# Allegro board FH8858v310_app_board_v1.1.brd (continued)
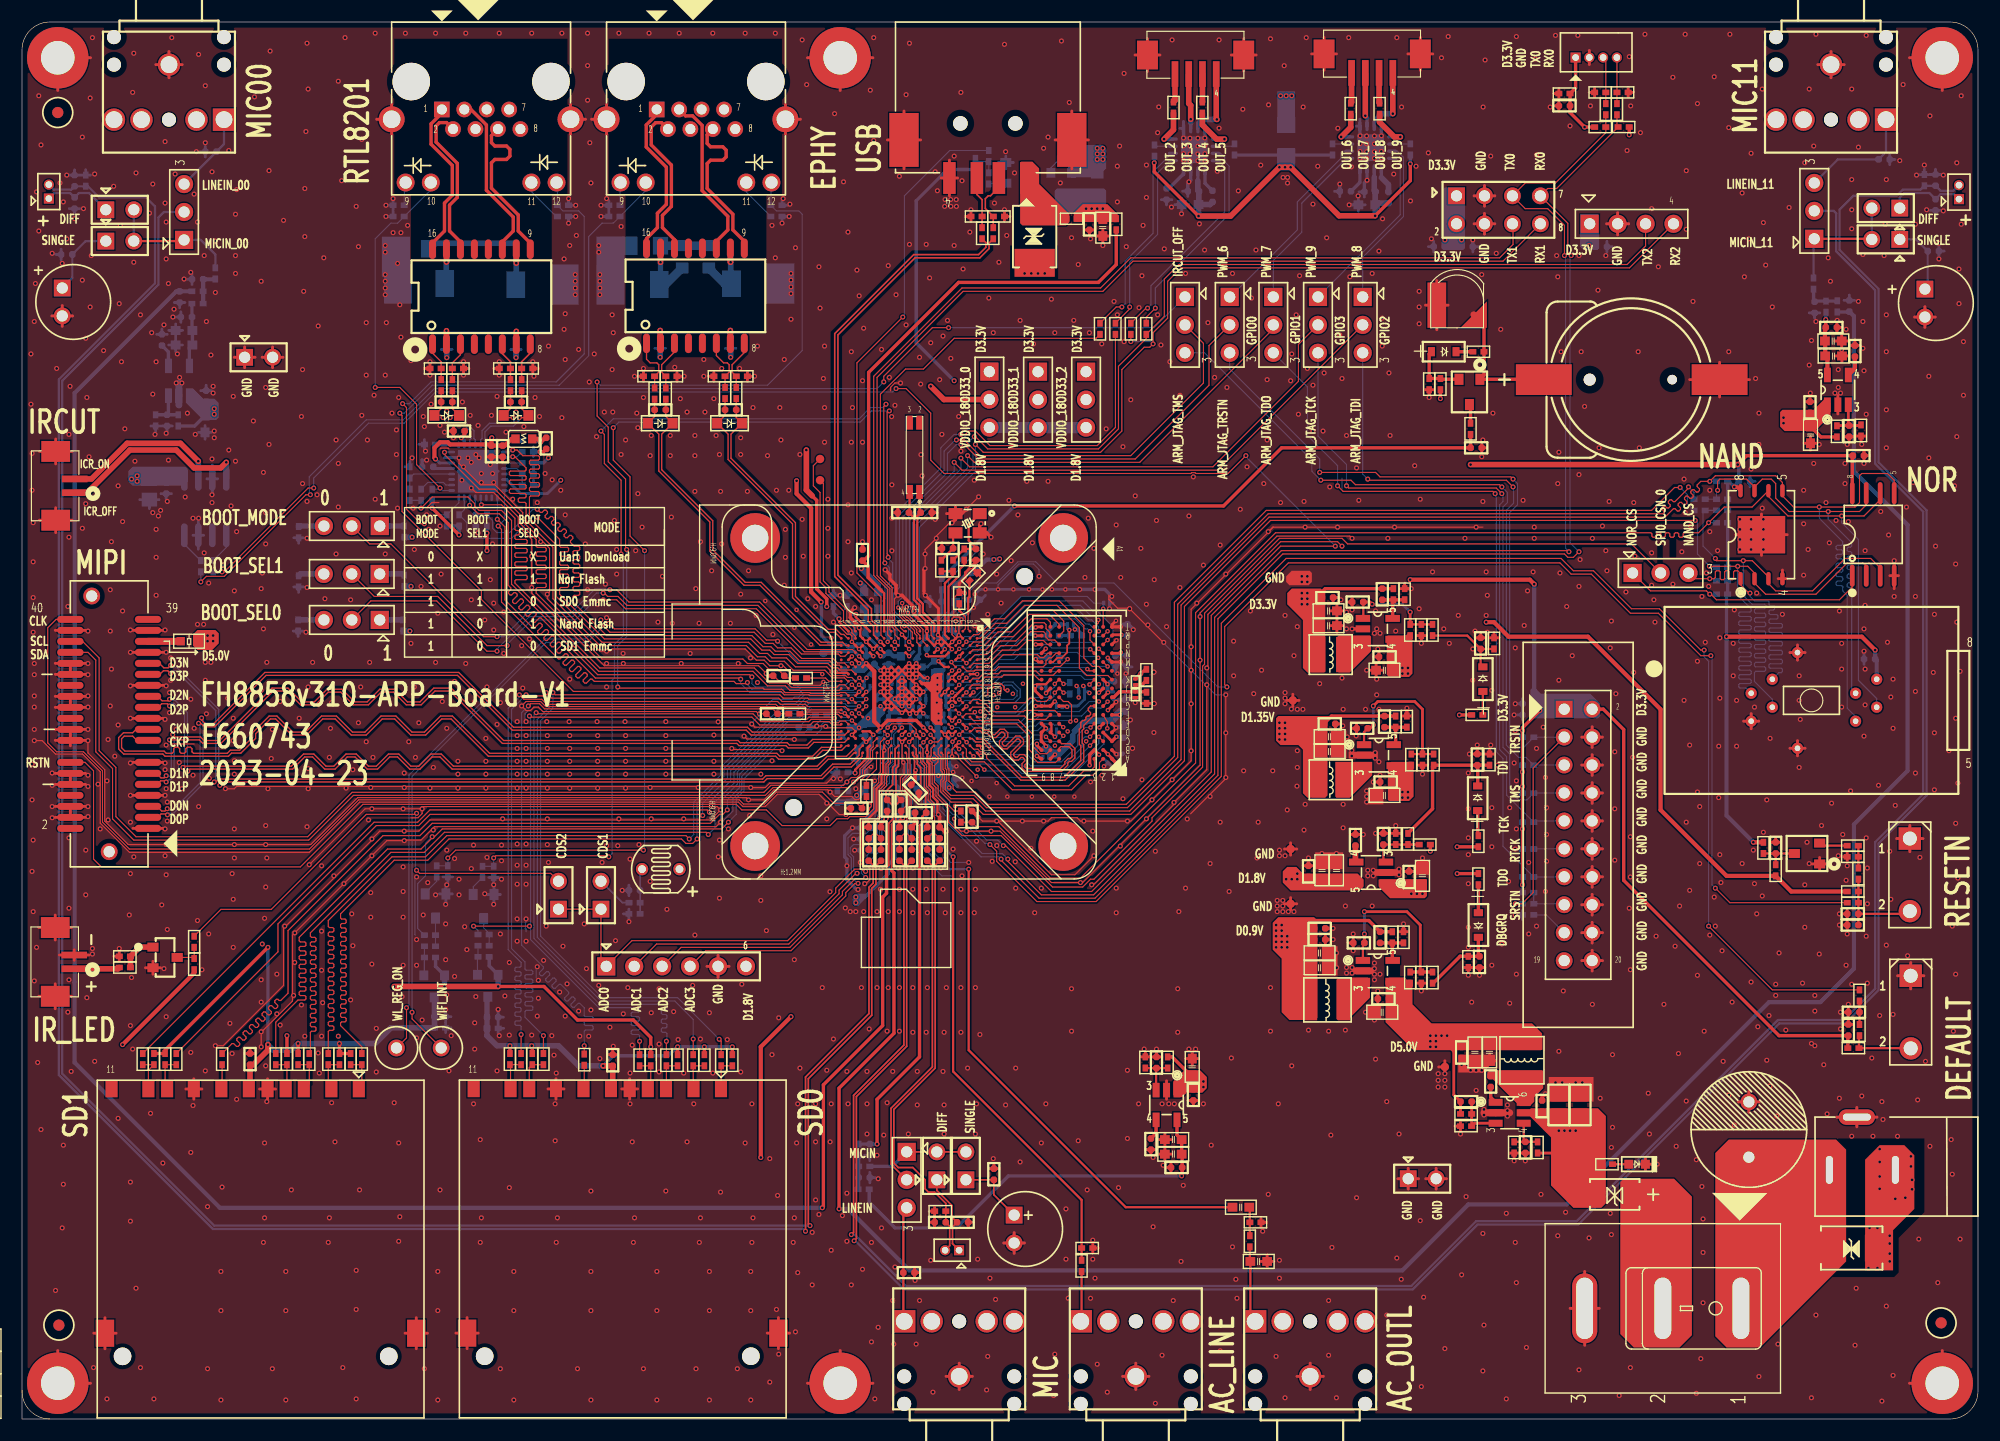
[diagram p0: board, top side]
## Placement (name value [footprint] x y rotation side) (continued)
NOREF  -  [unnamed]  3.35 8.53 0 top
NOREF#2  -  [unnamed]  174.45 8.74 0 top
NOREF#3  -  [#2]  7.62 24.69 90 top
NOREF#4  -  [#2]  7.62 156.51 0 top
NOREF#5  -  [unnamed]  3.25 118.77 0 top
NOREF#6  -  [unnamed]  3.25 118.77 180 bottom
NOREF#7  -  [unnamed]  3.35 8.53 180 bottom
NOREF#8  -  [unnamed]  174.45 8.74 180 bottom
Q1  MMB3904  [SOT23_2]  41.96 46.58 180 bottom
Q2  MMB3904  [SOT23_2]  37.59 46.63 180 bottom
Q3  MMB3904  [SOT23_2]  13 41.96 90 top
Q4  MMB3904  [SOT23_2]  90.53 113.28 270 bottom
R1  10K 5%  [R0402]  144.07 23.16 180 top
R2  47K 5%  [R0402]  137.77 24.69 90 top
R3  100K 1%  [R0402]  131.27 27.73 180 top
R4  10K 5%  [R0402]  135.63 24.69 90 top
R5  13.7K 1%  [R0402]  131.26 26.62 0 top
R6  100K 1%  [R0402]  124.66 74.98 90 top
R7  (*)  [R0402]  126.18 71.73 90 top
R8  (*)  [R0402]  127.2 71.73 90 top
R9  22.1K 1%  [R0402]  125.68 74.98 270 top
R10  (*)  [R0402]  127.51 52.22 180 top
R11  (*)  [R0402]  124.87 52.73 270 top
R12  0R 5%  [R0402]  128.22 71.73 90 top
R13  0R 5%  [R0402]  125.99 52.73 270 top
R14  150K 1%  [R0402]  124.86 63.4 90 top
R15  (*)  [R0402]  126.29 59.94 90 top
R16  120K 1%  [R0402]  125.88 63.4 270 top
R17  (*)  [R0402]  127.3 59.94 90 top
R18  20K 5%  [R0402]  132.38 52.52 90 top
R19  120K 1%  [R0402]  133.4 59.94 90 top
R20  0R 5%  [R0402]  128.32 59.94 90 top
R21  100K 1%  [R0402]  132.39 49.08 270 top
R22  75K 1%  [R0402]  131.47 41.56 270 top
R23  59K 1%  [R0402]  124.56 43.79 90 top
R24  (*)  [R0402]  126.18 40.13 90 top
R25  (*)  [R0402]  127.2 40.13 90 top
R26  110K 1%  [R0402]  125.58 43.79 270 top
R27  10K 5%  [R0402]  128.22 40.13 90 top
R28  0R 5%  [R0603]  76.56 74.42 90 bottom
R29  0R 5%  [R0603]  84.89 75.03 270 bottom
R30  0R 5%  [R0603]  77.83 74.42 90 bottom
R31  200R 1%  [R0402]  74.98 74.37 90 bottom
R32  0R 5%  [R0603]  79.35 55.47 270 bottom
R33  22R 5%  [R0402]  76.76 57.1 90 top
R34  2.2K 5%  [R0402]  74.12 56.59 90 bottom
R35  2.2K 5%  [R0402]  75.13 56.59 90 bottom
R36  0R 5%  [R0603]  76.56 57.96 90 bottom
R37  0R 5%  [R0402]  83.61 75.9 270 bottom
R38  4.02K 1%  [R0402]  74.57 58.78 0 bottom
R39  0R 5%  [R0402]  85.65 78.59 270 top
R40  1M 5%  [R0402]  84.63 77.57 90 top
R41  22R 5%  [R0402]  83.57 77.57 270 top
R42  10K 5%  [R0402]  34.74 80.67 270 bottom
R43  10K 5%  [R0402]  25.14 80.62 270 bottom
R44  0R 5%  [R0603]  79.91 68.58 270 bottom
R45  10K 5%  [R0402]  34.74 76.2 270 bottom
R46  10K 5%  [R0402]  25.14 76.15 270 bottom
R47  10K 5%  [R0402]  34.64 72.14 270 bottom
R48  10K 5%  [R0402]  25.09 72.14 270 bottom
R49  6.04K 1%  [R0402]  73.76 74.37 90 bottom
R50  0R 5%  [R0603]  15.19 70.71 180 top
R51  0R 5%  [R0402]  152.5 83.62 180 bottom
R52  10K 5%  [R0402]  154.54 74.98 180 bottom
R53  10K 5%  [R0402]  154.54 77.42 180 bottom
R54  10K 5%  [R0402]  154.53 83.62 0 bottom
R55  10K 5%  [R0402]  154.54 82.6 180 bottom
R56  10K 5%  [R0402]  154.53 81.48 0 bottom
R57  10K 5%  [R0402]  154.53 85.24 0 bottom
R58  0R 5%  [R0402]  152.5 82.6 0 bottom
R59  10K 5%  [R0402]  154.53 76.2 180 bottom
R60  100R 5%  [R0402]  128.93 94.08 270 top
R61  1K 5%  [R0402]  131.67 90.02 90 top
R62  NC_470R 5%  [R0402]  132.39 97.03 180 top
R63  1.5K 5%  [R0402]  127.91 94.08 90 top
R64  10K 5%  [R0402]  62.03 32.62 270 top
R65  10K 5%  [R0402]  64.57 32.62 270 top
R66  10K 5%  [R0402]  44.35 32.72 270 top
R67  10K 5%  [R0402]  46.38 32.72 270 top
R68  22R 5%  [R0402]  47.4 32.72 270 top
R69  22R 5%  [R0402]  45.37 32.72 270 top
R70  22R 5%  [R0402]  63.55 32.62 270 top
R71  22R 5%  [R0402]  61.01 32.62 270 top
R72  0R 5%  [R0402]  51.11 32.67 270 top
R73  10K 5%  [R0402]  41.96 42.01 0 bottom
R74  100K 5%  [R0402]  42.78 35.51 180 bottom
R75  0R 5%  [R0402]  41.96 44.04 0 bottom
R76  100R 5%  [R0402]  41.96 43.03 180 bottom
R77  22R 5%  [R0402]  56.14 32.62 270 top
R78  1K 5%  [R0402]  41.86 49.74 270 bottom
R79  22R 5%  [R0402]  58.57 32.62 270 top
R80  4.7K 5%  [R0402]  42.87 49.74 270 bottom
R81  10K 5%  [R0402]  57.15 32.62 270 top
R82  10K 5%  [R0402]  59.59 32.62 270 top
R83  10K 5%  [R0402]  28.86 32.72 270 top
R84  10K 5%  [R0402]  29.87 32.72 270 top
R85  10K 5%  [R0402]  11.99 32.72 270 top
R86  10K 5%  [R0402]  13.01 32.72 270 top
R87  22R 5%  [R0402]  14.02 32.72 270 top
R88  22R 5%  [R0402]  10.98 32.72 270 top
R89  22R 5%  [R0402]  30.89 32.72 270 top
R90  22R 5%  [R0402]  27.84 32.72 270 top
R91  10K 5%  [R0402]  37.08 41.96 0 bottom
R92  100K 5%  [R0402]  38 35.56 180 bottom
R93  0R 5%  [R0402]  18.19 32.72 270 top
R94  0R 5%  [R0402]  37.08 43.99 0 bottom
R95  100R 5%  [R0402]  37.09 42.98 180 bottom
R96  22R 5%  [R0402]  23.07 32.72 270 top
R97  1K 5%  [R0402]  37.69 49.79 270 bottom
R98  22R 5%  [R0402]  26.11 32.72 270 top
R99  4.7K 5%  [R0402]  38.71 49.79 270 bottom
R100  10K 5%  [R0402]  24.08 32.72 270 top
R101  10K 5%  [R0402]  25.1 32.72 270 top
R102  1K 5%  [R0402]  76.56 22.96 180 bottom
R103  (*)  [R0402]  76.5 20.88 0 bottom
R104  1K 5%  [R0402]  76.05 24.48 90 bottom
R105  10K 5%  [R0402]  104.14 32.41 270 top
R106  10K 5%  [R0402]  102.11 32.41 270 top
R107  2K 5%  [R0402]  83.47 18.9 180 top
R108  1K 5%  [R0402]  162.85 103.22 270 bottom
R109  (*)  [R0402]  163.98 101.12 270 bottom
R110  1K 5%  [R0402]  165.01 101.14 270 bottom
R111  10K 5%  [R0402]  164.98 89.79 90 top
R112  10K 5%  [R0402]  167.17 89.87 90 top
R113  2K 5%  [R0402]  172.93 112.62 90 bottom
R114  1K 5%  [R0402]  17.57 104.14 270 bottom
R115  (*)  [R0402]  15.95 101.4 180 bottom
R116  1K 5%  [R0402]  15.95 102.52 180 bottom
R117  10K 5%  [R0402]  14.2 90.78 90 bottom
R118  10K 5%  [R0402]  12.15 90.78 90 bottom
R119  2K 5%  [R0402]  5.79 112.57 90 bottom
R120  4.99K 1%  [R0402]  96.31 13.92 90 top
R121  4.99K 1%  [R0402]  96.83 15.54 180 top
R122  10K 5%  [R0402]  145.59 117.45 0 top
R123  75K 1%  [R0402]  132.28 64.01 0 top
R124  10K 5%  [R0402]  143.46 117.45 180 top
R125  100R 5%  [R0402]  143.96 119.07 90 top
R126  75K 1%  [R0402]  133.81 70.51 90 top
R127  100R 5%  [R0402]  144.98 119.07 90 top
R129  100R 5%  [R0402]  55.68 46.94 180 bottom
R130  0R 5%  [R0402]  15.65 43.39 270 top
R131  10K 5%  [R0402]  15.65 41.35 270 top
R132  100K 1%  [R0402]  55.67 45.92 0 bottom
R133  1K 5%  [R0402]  9.35 41.04 180 top
R134  47K 5%  [R0402]  9.35 42.06 180 top
R135  10K 5%  [R0402]  136.91 61.98 180 bottom
R136  4.7K 5%  [R0402]  136.91 59.44 180 bottom
R137  4.7K 5%  [R0402]  136.91 56.9 180 bottom
R138  4.7K 5%  [R0402]  136.91 54.25 180 bottom
R139  4.7K 5%  [R0402]  136.91 51.82 180 bottom
R140  (*)  [R0402]  136.91 49.28 180 bottom
R141  (*)  [R0402]  136.91 47.85 180 bottom
R142  4.7K 5%  [R0402]  136.91 45.82 180 bottom
R143  22R 5%  [R0402]  136.91 46.84 0 bottom
R144  1K 5%  [R0402]  16.25 77.52 270 bottom
R145  1K 5%  [R0402]  17.37 77.52 270 bottom
R146  0R 5%  [R0402]  88.29 107.8 90 top
R147  0R 5%  [R0402]  87.27 107.8 90 top
R150  0R 5%  [R0402]  104.67 119.22 90 top
R151  0R 5%  [R0402]  107.29 119.22 90 top
R152  0R 5%  [R0402]  120.78 119.12 90 top
R153  0R 5%  [R0402]  123.4 119.12 90 top
R154  0R 5%  [R0402]  97.99 99.11 270 top
R155  0R 5%  [R0402]  99.39 99.11 270 top
R156  0R 5%  [R0402]  102.2 99.11 270 top
R157  (*)  [R0805]  97.74 112.27 270 bottom
R158  0R 5%  [R0402]  99.47 108.61 270 top
R159  10K 5%  [R0402]  94.89 114.6 0 bottom
R160  0R 5%  [R0402]  95.4 109.12 180 top
R161  10K 5%  [R0402]  86.66 114.1 270 bottom
R162  0R 5%  [R0402]  87.88 114.81 270 bottom
R163  10K 5%  [R0402]  87.88 112.78 270 bottom
R164  10K 5%  [R0402]  166.47 33.72 0 top
R165  1K 5%  [R0402]  167.03 35.35 90 top
R166  0R 5%  [R0402]  167.03 38.5 90 top
R167  (*)  [R0402]  158.3 51.92 270 top
R168  10K 5%  [R0402]  166.42 47.95 180 top
R169  0R 5%  [R0402]  159.41 49.88 90 top
R170  0R 5%  [R0402]  166.42 52.12 0 top
R171  (*)  [R0402]  166.93 49.58 270 top
R172  0R 5%  [R0402]  166.42 46.94 180 top
R173  (*)  [R0402]  166.42 51.11 0 top
R174  2.2R 1%  [R0402]  57.51 93.22 270 top
R175  75R 5%  [R0805]  60 105.65 270 bottom
R176  510R 5%  [R0402]  68.58 109.32 180 bottom
R177  2.2R 1%  [R0402]  58.52 93.22 270 top
R178  2.2R 1%  [R0402]  63.91 93.27 270 top
R179  510R 5%  [R0402]  53.85 110.34 0 bottom
R180  75R 5%  [R0805]  62.44 105.65 270 bottom
R181  2.2R 1%  [R0402]  64.92 93.27 270 top
R182  2.2R 1%  [R0402]  38.1 93.98 270 top
R183  75R 5%  [R0402]  38.61 106.38 270 bottom
R184  2.2R 1%  [R0402]  39.12 93.98 270 top
R185  2.2R 1%  [R0402]  44.4 93.98 270 top
R186  75R 5%  [R0402]  44.9 106.38 270 bottom
R187  2.2R 1%  [R0402]  45.42 93.98 270 top
R188  510R 5%  [R0402]  49.17 109.32 180 bottom
R189  510R 5%  [R0402]  34.24 110.34 0 bottom
R190  2.2K 5%  [R0402]  39.73 81.69 90 bottom
R191  2.49K 1%  [R0402]  37.09 88.6 180 bottom
R192  10K 5%  [R0402]  45.98 87.94 180 bottom
R193  10K 5%  [R0402]  35.25 86.06 270 bottom
R194  0R 5%  [R0402]  35.26 84.02 90 bottom
R195  0R 5%  [R0402]  36.27 84.02 90 bottom
R196  10K 5%  [R0402]  45.98 88.95 180 bottom
R197  10K 5%  [R0402]  38.61 81.69 90 bottom
R198  10K 5%  [R0402]  37.29 84.02 90 bottom
R199  NC_10K 5%  [R0402]  45.98 84.89 180 bottom
R200  10K 5%  [R0402]  45.98 85.91 180 bottom
R201  10K 5%  [R0402]  45.98 86.92 180 bottom
R202  10K 5%  [R0402]  42.27 81.69 90 bottom
R203  22R 5%  [R0402]  85.34 54.76 90 top
R204  22R 5%  [R0402]  70.21 64.11 0 top
R205  22R 5%  [R0402]  70.82 67.36 180 top
R206  22R 5%  [R0402]  72.65 64.01 180 bottom
R207  10K 5%  [R0402]  119.13 115.41 90 bottom
R208  (*)  [R0402]  126.2 115.41 90 bottom
R209  (*)  [R0402]  110.22 115.41 90 bottom
R210  0R 5%  [R1206]  114.91 116.23 270 bottom
R211  10K 5%  [R0402]  102.94 115.31 90 bottom
R212  0R 5%  [R0402]  100.79 99.11 270 top
RF1  470R 5%  [R0402]  111.61 16.16 270 top
RF2  10K 5%  [R0402]  112.12 17.88 180 top
RR1  120R 1%  [R0402]  95.24 66.43 270 bottom
RR2  240R 1%  [R0402]  86.48 76.55 225 top
RR3  240R 1%  [R0402]  85.19 74.63 270 top
RR4  240R 1%  [R0402]  93.77 69.19 0 bottom
RR5  1K 1%  [R0402]  102.21 67.65 90 top
RR8  1K 1%  [R0402]  82.9 68.38 270 bottom
RR9  1K 1%  [R0402]  102.22 65.57 90 top
RR10  1K 1%  [R0402]  81.89 67.87 90 bottom
RR11  1K 1%  [R0402]  93.78 71.22 180 bottom
RR13  1K 1%  [R0402]  95.81 71.22 180 bottom
S1  1TS002A-2300-5000  [KEY_2PIN]  171.68 36.99 0 top
S2  1TS002A-2300-5000  [KEY_2PIN]  171.6 49.47 0 top
T1  -  [TP30]  129.34 34.04 0 top
T2  -  [TP30]  129.34 32 0 top
T3  -  [TP30]  115.52 74.37 0 top
T4  -  [TP30]  115.32 49.78 0 top
T5  -  [TP30]  115.52 76.4 0 top
T6  -  [TP30]  115.32 51.82 0 top
T7  -  [TP30]  115.52 63.3 0 top
T8  -  [TP30]  115.52 65.33 0 top
T9  -  [TP30]  115.32 44.81 0 top
T10  -  [TP30]  115.32 46.84 0 top
T11  -  [TP30]  72.85 69.63 180 bottom
T12  -  [TP30]  72.54 85.34 0 top
T13  -  [TP30]  72.54 87.27 0 top
T14  TP-ID08MM-OD254MM  [TP]  38.1 33.73 180 top
T15  TP-ID08MM-OD254MM  [TP]  34.04 33.73 180 top
T16  Mark Point  [C220D120]  174.55 3.25 270 top
T17  Mark Point  [C220D120]  3.25 123.75 0 top
T18  Mark Point  [C220D120]  74.37 123.75 0 top
T19  Mark Point  [C220D120]  174.55 123.75 270 top
T20  Mark Point  [C220D120]  74.37 3.25 0 top
T21  Mark Point  [C220D120]  3.25 3.25 0 top
U1  SY8120B  [SOT23_6]  135.23 27.84 270 top
U2  SY8088AAC  [SOT23_5]  123.24 71.83 270 top
U3  TPS79318DBVR  [SOT23_5]  122.63 49.68 90 top
U4  SY8088AAC  [SOT23_5]  123.34 60.35 270 top
U5  SY8089AAC  [SOT23_5]  123.24 40.74 270 top
U6  FH8858v310  [HL_BGA_SOCKET]  80.64 66.09 270 top
U7  SX32Y024000B91T-U_24MHz 9PF 10ppm  [CRSTALY_3225]  85.95 81.43 180 top
U8  Q13MC1461000600/32.768kHz  [MC-146]  81.13 87.63 90 top
U9  GD25Q127CSIG/W25Q128JVSIQ  [SO8_200MIL]  168.28 80.42 90 top
U10  GD5F1GQ4UCYIG/W25N01GVZEIG  [SOP8-NANDFLASH]  158.12 80.39 90 top
U11  TPS79318DBVR  [SOT23_5]  104.04 28.55 180 top
U12  TPS79318DBVR  [SOT23_5]  165.06 93.56 0 top
U13  TPS79318DBVR  [SOT23_5]  14.26 94.39 180 bottom
U14  Nand Flash Socket  [SOP8_SPI_SOCKET-267X17]  162.66 65.33 0 top
U15  CON2x4-254MM  [DIP4X2_254MM]  130.4 111.2 0 top
U18  CON2x10-254MM  [DIP10X2_254MM]  140.18 64.53 0 top
U19  AZ6208BM  [SOP8_127-620X500]  16.66 82.91 270 bottom
U22  MAX809SN160T1  [SOT23]  162.26 51.41 90 top
U23  S16503G  [SOP16_270_50]  61.21 102.11 0 top
U24  S16503G  [SOP16_270_50]  41.76 102.03 0 top
U25  RTL8201F-VB-CG  [RTL8201-QFN32-TH]  41.45 86.16 270 bottom
U26  HR8833SQ  [QFN16_HR8833]  106.56 115.38 270 bottom
U27  HR8833SQ  [QFN16_HR8833]  122.59 115.58 270 bottom
UR1  W632GU6QB-09  [BGA96-32-1609M]  95.88 66.01 90 top

## Library data of the parts
BT1 = BATTERY_0: Tolerance: #TOL; User Part Number: HAMP
BT2 = BATTERY
C1 C2 C7 C8 C10 C12 C13 C16 C18 C20 C22-C24 C26 C27 C30-C33 C35 C36 C39-C43 C45 C46 C49-C81 C84 C86-C88 C97 C100-C106 C108 C109 C112-C119 C121 C122 C125-C132 C134 C135 C138-C145 C148-C151 C153-C158 C160-C165 C167 C168 C170-C180 C182-C184 C186-C200 C299 CR4 CR7 CR21-CR23 CR30-CR32 = CAP0402
C3 = ECAP-DIP
C4 C5 C152 = CAP0805
C6 C9 C11 C14 C15 C17 C19 C21 C25 C28 C29 C34 C37 C38 C107 C110 C111 C120 C123 C124 C133 C136 C137 C146 C147 C159 C181 C185 = CAP0603
C44 C47 C48 C82 C83 C85 C89-C96 C98 C99 CR1-CR3 CR5 CR6 CR8-CR20 CR24-CR29 CR33 CR34 = CAP0201: Tolerance: TOLERANCE; User Part Number: USERPART#
C166 C169 = CAP1206
CN1-CN5 = PHONE
D1 D4 D5 D7 D35 = DIODE
D2 D8-D11 D13-D34 = TVS
D3 = LED0603
D6 = SBD
D12 = LED
J1 = DC JACK: Tolerance: #TOL; User Part Number: HAMP
J2 = POWER SWITCH
J3 = MEC1-120-02-F-D-LC
J4 J5 = SD
J6 J8 J10 = MIC IN
J7 J9 J11 = CON2-127MM
J12 = CONNECT4_125MM_DIP
J13 J15 = CONNECT2_125MM
J14 = CON6-254MM: Tolerance: #TOL; User Part Number: HAMP
J16 = CON4-254MM
J17 J18 = RJ45_LED
J19 J20 = CONNECT4_125MM
J21 = USB-A
JP1-JP3 JP7 JP9-JP13 JP17 JP20 JP23 JP40 JP41 = JUMP SWITCH
JP4 JP5 JP15 JP16 JP18 JP19 JP21 JP22 JP29 JP30 = JUMP
JP14 = JUMP SWITCH: signal model: JUMP_SWITCH_SIP3_254MM_2.54MM_N_2.54MM_Needle
L1-L4 = INDUCTOR
L5 = BEAD0603
MQ1-MQ3 = AF2301P
Q1-Q4 = NPN: User Part Number: HAMP; Tolerance: #TOL
R1-R27 R31 R33-R35 R37-R43 R45-R49 R52-R57 R59-R67 R73-R76 R78 R80-R86 R91 R92 R94 R95 R97 R99-R127 R129-R145 R150-R156 R158-R173 R176 R179 R183 R186 R188-R193 R195-R202 R207-R209 R211 R212 RF1 RF2 RR1-RR5 RR8-RR11 RR13 = RES0402
R28-R30 R32 R36 R44 R50 = RES0603
R51 R58 = RES0402: signal model: RES0402_R0402_(*)_(*)
R68-R71 R77 R79 R87-R90 R96 R98 R203-R206 = RES0402: signal model: RES0402_R0402_22R_5%_22R_5%
R72 R93 R146 R147 R194 = RES0402: signal model: RES0402_R0402_0R_5%_0R_5%
R157 R175 R180 = RES0805
R174 R177 R178 R181 R182 R184 R185 R187 = RES0402: signal model: RES0402_R0402_10R_1%_10R_1%
R210 = RES1206: User Part Number: HAMP; Tolerance: #TOL
S1 S2 = KEY-2PIN
T1-T13 = TP-D1MM
T14 T15 = TP-D1MM27
T16-T21 = MARK
U1 = DC-DC-SY8120B
U2 U4 U5 = DC-DC-SY8088AAC
U3 U11-U13 = TPS793XX
U6 = HL_BGA
U7 = TSX-3225
U8 = MC146
U9 = NOR FLASH
U10 = NAND FLASH
U14 = NAND FLASH_1
U15 = CON2X4-254MM: Tolerance: #TOL; User Part Number: HAMP
U18 = CON2X10-254MM
U19 = AZ6208BM: User Part Number: HAMP; Tolerance: #TOL
U22 = SGM809
U23 U24 = H1102NLT
U25 = RTL8201F
U26 U27 = HR8833
UR1 = DDR3 BGA96 16BIT

## Footprints (pads in the part's own frame, mm; a bottom-side part is the same pattern mirrored in y, then rotated)
B0603
  rect 0.762x0.813 smd: 1(-0.762,0) 2(0.762,0)
BAT-22_8-10
  round 0.864 hole 1.118 unplated: (-3.75,0)
  round 1.092 hole 1.346 unplated: (3.75,0)
  rect 5.08x2.794 smd: 1(7.92,0) 2(-8.06,0)
BGA96-32-1609M
  round 0.356 smd: A1(-6,-3.2) A2(-6,-2.4) A3(-6,-1.6) A7(-6,1.6) A8(-6,2.4) A9(-6,3.2) B1(-5.2,-3.2) B2(-5.2,-2.4) B3(-5.2,-1.6) B7(-5.2,1.6) B8(-5.2,2.4) B9(-5.2,3.2) C1(-4.4,-3.2) C2(-4.4,-2.4) C3(-4.4,-1.6) C7(-4.4,1.6) C8(-4.4,2.4) C9(-4.4,3.2) D1(-3.6,-3.2) D2(-3.6,-2.4) D3(-3.6,-1.6) D7(-3.6,1.6) D8(-3.6,2.4) D9(-3.6,3.2) E1(-2.8,-3.2) E2(-2.8,-2.4) E3(-2.8,-1.6) E7(-2.8,1.6) E8(-2.8,2.4) E9(-2.8,3.2) F1(-2,-3.2) F2(-2,-2.4) F3(-2,-1.6) F7(-2,1.6) F8(-2,2.4) F9(-2,3.2) G1(-1.2,-3.2) G2(-1.2,-2.4) G3(-1.2,-1.6) G7(-1.2,1.6) G8(-1.2,2.4) G9(-1.2,3.2) H1(-0.4,-3.2) H2(-0.4,-2.4) H3(-0.4,-1.6) H7(-0.4,1.6) H8(-0.4,2.4) H9(-0.4,3.2) J1(0.4,-3.2) J2(0.4,-2.4) J3(0.4,-1.6) J7(0.4,1.6) J8(0.4,2.4) J9(0.4,3.2) K1(1.2,-3.2) K2(1.2,-2.4) K3(1.2,-1.6) K7(1.2,1.6) K8(1.2,2.4) K9(1.2,3.2) L1(2,-3.2) L2(2,-2.4) L3(2,-1.6) L7(2,1.6) L8(2,2.4) L9(2,3.2) M1(2.8,-3.2) M2(2.8,-2.4) M3(2.8,-1.6) M7(2.8,1.6) M8(2.8,2.4) M9(2.8,3.2) N1(3.6,-3.2) N2(3.6,-2.4) N3(3.6,-1.6) N7(3.6,1.6) N8(3.6,2.4) N9(3.6,3.2) P1(4.4,-3.2) P2(4.4,-2.4) P3(4.4,-1.6) P7(4.4,1.6) P8(4.4,2.4) P9(4.4,3.2) R1(5.2,-3.2) R2(5.2,-2.4) R3(5.2,-1.6) R7(5.2,1.6) R8(5.2,2.4) R9(5.2,3.2) T1(6,-3.2) T2(6,-2.4) T3(6,-1.6) T7(6,1.6) T8(6,2.4) T9(6,3.2)
C0201
  rect 0.279x0.432 smd: 1(-0.267,0) 2(0.267,0)
C220D120
  round 5.588 hole 3.048: 1(0,0)
C0402
  custom 0.6x0.6 smd: 1(-0.508,0) 2(0.508,0)
C0603
  rect 0.889x0.813 smd: 1(-0.762,0) 2(0.762,0)
C0805
  rect 1.27x1.397 smd: 1(-0.953,0) 2(0.953,0)
C1206
  rect 1.397x1.6 smd: 1(-1.397,0) 2(1.397,0)
CRSTALY_3225
  rect 1.27x1.016 smd: 1(-1.1,-0.875) 2(1.1,-0.875) 3(1.1,0.875) 4(-1.1,0.875)
D0402
  rect 0.635x0.508 smd: A(-0.508,0) K(0.508,0)
DC-3
  oval 3.302x1.397 hole 2.54x0.635: 1(0,0) 2(0,-6)
  oval 1.397x3.302 hole 0.635x2.54: 3(4.8,-2.5)
DE10MM-H16
  rect 1.524x1.524 hole 1.016: 1(-2.515,0)
  round 1.524 hole 1.016: 2(2.515,0)
DIP4X2_254MM
  rect 1.524x1.524 hole 1.016: 1(0,0)
  round 1.524 hole 1.016: 2(0,-2.54) 3(2.54,0) 4(2.54,-2.54) 5(5.08,0) 6(5.08,-2.54) 7(7.62,0) 8(7.62,-2.54)
DIP10X2_254MM
  rect 1.524x1.524 hole 1.016: 1(0,0)
  round 1.524 hole 1.016: 2(2.54,0) 3(0,-2.54) 4(2.54,-2.54) 5(0,-5.08) 6(2.54,-5.08) 7(0,-7.62) 8(2.54,-7.62) 9(0,-10.16) 10(2.54,-10.16) 11(0,-12.7) 12(2.54,-12.7) 13(0,-15.24) 14(2.54,-15.24) 15(0,-17.78) 16(2.54,-17.78) 17(0,-20.32) 18(2.54,-20.32) 19(0,-22.86) 20(2.54,-22.86)
DO-214AA
  rect 1.702x2.413 smd: A(-2.05,0) K(2.05,0)
DO-214AC
  rect 1.524x1.803 smd: A(-1.85,0) K(1.85,0)
GMI6027P-2C
  rect 1.524x1.524 hole 1.016: 1(-1.27,-1)
  round 1.524 hole 1.016: 2(1.27,-1)
HEADER2_125MM_SMD
  rect 0.61x2.337 smd: 1(-0.625,0.381) 2(0.625,0.381)
  rect 1.905x2.616 smd: CG1(-3.125,2.11) CG2(3.125,2.11)
HEADER4_125MM
  rect 0.914x0.914 hole 0.61: 1(0,0)
  round 0.914 hole 0.61: 2(0,-1.25) 3(0,-2.5) 4(0,-3.75)
HEADER4_125MM_SMD
  rect 0.61x2.337 smd: 1(-1.875,0.381) 2(-0.625,0.381) 3(0.625,0.381) 4(1.875,0.381)
  rect 1.905x2.616 smd: CG1(-4.375,2.11) CG2(4.375,2.11)
HEADER20X2_1MM_SMD
  round 1.524 hole 1.016: (0,11.622) (1.588,-11.623)
  oval 2.388x0.635 smd: 1(-3.53,9.5) 2(3.53,9.5) 3(-3.53,8.5) 4(3.53,8.5) 5(-3.53,7.5) 6(3.53,7.5) 7(-3.53,6.5) 8(3.53,6.5) 9(-3.53,5.5) 10(3.53,5.5) 11(-3.53,4.5) 12(3.53,4.5) 13(-3.53,3.5) 14(3.53,3.5) 17(-3.53,1.5) 18(3.53,1.5) 19(-3.53,0.5) 20(3.53,0.5) 21(-3.53,-0.5) 22(3.53,-0.5) 23(-3.53,-1.5) 24(3.53,-1.5) 25(-3.53,-2.5) 26(3.53,-2.5) 27(-3.53,-3.5) 28(3.53,-3.5) 29(-3.53,-4.5) 30(3.53,-4.5) 31(-3.53,-5.5) 32(3.53,-5.5) 33(-3.53,-6.5) 34(3.53,-6.5) 35(-3.53,-7.5) 36(3.53,-7.5) 37(-3.53,-8.5) 38(3.53,-8.5) 39(-3.53,-9.5) 40(3.53,-9.5)
HL_BGA_SOCKET
  round 4.521 hole 2.413: (-14,14) (-14,-14) (14,14) (14,-14)
  round 1.524 hole 1.524 unplated: (-10.5,10.5) (10.5,-10.5)
  round 0.254 smd: A1(-5.525,6.175) A2(-4.875,6.175) A3(-4.225,6.175) A5(-2.925,6.175) A6(-2.275,6.175) A8(-0.975,6.175) A9(-0.325,6.175) A11(0.975,6.175) A13(2.275,6.175) A15(3.575,6.175) A16(4.225,6.175) A17(4.875,6.175) A18(5.525,6.175) B1(-5.525,5.525) B2(-4.875,5.525) B3(-4.225,5.525) B4(-3.575,5.525) B5(-2.925,5.525) B6(-2.275,5.525) B7(-1.625,5.525) B8(-0.975,5.525) B9(-0.325,5.525) B10(0.325,5.525) B11(0.975,5.525) B12(1.625,5.525) B13(2.275,5.525) B14(2.925,5.525) B15(3.575,5.525) B16(4.225,5.525) B17(4.875,5.525) B18(5.525,5.525) C1(-5.525,4.875) C2(-4.875,4.875) C3(-4.225,4.875) C4(-3.575,4.875) C5(-2.925,4.875) C6(-2.275,4.875) C7(-1.625,4.875) C8(-0.975,4.875) C9(-0.325,4.875) C10(0.325,4.875) C11(0.975,4.875) C12(1.625,4.875) C13(2.275,4.875) C14(2.925,4.875) C15(3.575,4.875) C16(4.225,4.875) C17(4.875,4.875) C18(5.525,4.875) D1(-5.525,4.225) D2(-4.875,4.225) D3(-4.225,4.225) D4(-3.575,4.225) D5(-2.925,4.225) D6(-2.275,4.225) D7(-1.625,4.225) D8(-0.975,4.225) D9(-0.325,4.225) D10(0.325,4.225) D11(0.975,4.225) D12(1.625,4.225) D13(2.275,4.225) D14(2.925,4.225) D15(3.575,4.225) D16(4.225,4.225) D17(4.875,4.225) D18(5.525,4.225) E1(-5.525,3.575) E2(-4.875,3.575) E3(-4.225,3.575) E4(-3.575,3.575) E6(-2.275,3.575) E7(-1.625,3.575) E8(-0.975,3.575) E9(-0.325,3.575) E10(0.325,3.575) E11(0.975,3.575) E12(1.625,3.575) E13(2.275,3.575) E14(2.925,3.575) E15(3.575,3.575) E16(4.225,3.575) E17(4.875,3.575) E18(5.525,3.575) F2(-4.875,2.925) F3(-4.225,2.925) F4(-3.575,2.925) F7(-1.625,2.925) F8(-0.975,2.925) F9(-0.325,2.925) F10(0.325,2.925) F11(0.975,2.925) F12(1.625,2.925) F13(2.275,2.925) F14(2.925,2.925) F15(3.575,2.925) F16(4.225,2.925) F17(4.875,2.925) F18(5.525,2.925) G1(-5.525,2.275) G2(-4.875,2.275) G3(-4.225,2.275) G4(-3.575,2.275) G15(3.575,2.275) G16(4.225,2.275) G17(4.875,2.275) G18(5.525,2.275) H2(-4.875,1.625) H3(-4.225,1.625) H15(3.575,1.625) H16(4.225,1.625) H17(4.875,1.625) J1(-5.525,0.975) J2(-4.875,0.975) J3(-4.225,0.975) J6(-2.275,0.975) J7(-1.625,0.975) J8(-0.975,0.975) J9(-0.325,0.975) J10(0.325,0.975) J11(0.975,0.975) J12(1.625,0.975) J15(3.575,0.975) J16(4.225,0.975) J17(4.875,0.975) J18(5.525,0.975) K2(-4.875,0.325) K3(-4.225,0.325) K6(-2.275,0.325) K7(-1.625,0.325) K8(-0.975,0.325) K9(-0.325,0.325) K10(0.325,0.325) K11(0.975,0.325) K12(1.625,0.325) K15(3.575,0.325) K16(4.225,0.325) K17(4.875,0.325) K18(5.525,0.325) L1(-5.525,-0.325) L2(-4.875,-0.325) L3(-4.225,-0.325) L4(-3.575,-0.325) L6(-2.275,-0.325) L7(-1.625,-0.325) L8(-0.975,-0.325) L9(-0.325,-0.325) L10(0.325,-0.325) L11(0.975,-0.325) L12(1.625,-0.325) L15(3.575,-0.325) L16(4.225,-0.325) L17(4.875,-0.325) L18(5.525,-0.325) M2(-4.875,-0.975) M3(-4.225,-0.975) M6(-2.275,-0.975) M7(-1.625,-0.975) M8(-0.975,-0.975) M9(-0.325,-0.975) M10(0.325,-0.975) M11(0.975,-0.975) M12(1.625,-0.975) M15(3.575,-0.975) M16(4.225,-0.975) M17(4.875,-0.975) M18(5.525,-0.975) N1(-5.525,-1.625) N2(-4.875,-1.625) N3(-4.225,-1.625) N6(-2.275,-1.625) N7(-1.625,-1.625) N8(-0.975,-1.625) N9(-0.325,-1.625) N10(0.325,-1.625) N11(0.975,-1.625) N12(1.625,-1.625) N15(3.575,-1.625) N16(4.225,-1.625) N17(4.875,-1.625) N18(5.525,-1.625) P1(-5.525,-2.275) P2(-4.875,-2.275) P3(-4.225,-2.275) P4(-3.575,-2.275) P6(-2.275,-2.275) P7(-1.625,-2.275) P8(-0.975,-2.275) P9(-0.325,-2.275) P10(0.325,-2.275) P11(0.975,-2.275) P12(1.625,-2.275) P15(3.575,-2.275) P16(4.225,-2.275) P17(4.875,-2.275) R1(-5.525,-2.925) R2(-4.875,-2.925) R3(-4.225,-2.925) R4(-3.575,-2.925) R15(3.575,-2.925) R16(4.225,-2.925) R17(4.875,-2.925) R18(5.525,-2.925) T1(-5.525,-3.575) T2(-4.875,-3.575) T3(-4.225,-3.575) T4(-3.575,-3.575) T15(3.575,-3.575) T16(4.225,-3.575) T17(4.875,-3.575) U2(-4.875,-4.225) U3(-4.225,-4.225) U4(-3.575,-4.225) U5(-2.925,-4.225) U6(-2.275,-4.225) U8(-0.975,-4.225) U9(-0.325,-4.225) U10(0.325,-4.225) U11(0.975,-4.225) U12(1.625,-4.225) U13(2.275,-4.225) U15(3.575,-4.225) U16(4.225,-4.225) U17(4.875,-4.225) U18(5.525,-4.225) V1(-5.525,-4.875) V2(-4.875,-4.875) V3(-4.225,-4.875) V4(-3.575,-4.875) V5(-2.925,-4.875) V6(-2.275,-4.875) V7(-1.625,-4.875) V8(-0.975,-4.875) V9(-0.325,-4.875) V10(0.325,-4.875) V11(0.975,-4.875) V12(1.625,-4.875) V13(2.275,-4.875) V14(2.925,-4.875) V15(3.575,-4.875) V16(4.225,-4.875) V17(4.875,-4.875) V18(5.525,-4.875) W1(-5.525,-5.525) W2(-4.875,-5.525) W3(-4.225,-5.525) W4(-3.575,-5.525) W5(-2.925,-5.525) W6(-2.275,-5.525) W7(-1.625,-5.525) W8(-0.975,-5.525) W9(-0.325,-5.525) W10(0.325,-5.525) W11(0.975,-5.525) W12(1.625,-5.525) W13(2.275,-5.525) W14(2.925,-5.525) W15(3.575,-5.525) W16(4.225,-5.525) W17(4.875,-5.525) Y2(-4.875,-6.175) Y3(-4.225,-6.175) Y4(-3.575,-6.175) Y5(-2.925,-6.175) Y6(-2.275,-6.175) Y8(-0.975,-6.175) Y9(-0.325,-6.175) Y10(0.325,-6.175) Y11(0.975,-6.175) Y12(1.625,-6.175) Y13(2.275,-6.175) Y14(2.925,-6.175) Y15(3.575,-6.175) Y16(4.225,-6.175) Y17(4.875,-6.175)
IV01E
  custom 2.4x2.4 smd: 1(1.2,1.5)
  rect 4.115x1.702 smd: 2(0.343,-1.849)
KEY_2PIN
  rect 2.032x2.032 hole 1.27: 1(0,3.3)
  round 2.032 hole 1.27: 2(0,-3.3)
L3X3H15
  rect 1.219x3.2 smd: 1(-1.1,0) 2(1.1,0)
L4X4H3
  rect 1.118x3.708 smd: 1(-1.5,0) 2(1.5,0)
LED0603
  rect 0.813x0.813 smd: A(-0.756,0) K(0.756,0)
MC-146
  rect 1.27x0.61 smd: 1(-3.35,-0.45) 2(2.95,-0.45) 3(2.95,0.45) 4(-3.35,0.45)
PHONE_JACK
  round 1.27 hole 1.27 unplated: (-5,5) (-5,2.5) (0,-2.5) (5,5) (5,2.5)
  rect 2.032x2.032 hole 1.524: 1(5,-2.5)
  round 2.032 hole 1.524: 2(2.5,-2.5) 3(-2.5,-2.5) 4(-5,-2.5) 5(0,2.5)
PROCONN_SD
  round 1.601 hole 1.6 unplated: (0,0) (24.2,0)
  rect 1.1x1.5 smd: 1(21.48,24.3) 2(18.98,24.3) 3(16.48,24.3) 4(14.83,24.3) 5(13.18,24.3) 6(11.48,24.3) 7(8.98,24.3) 8(6.48,24.3) 9(4.05,24.3) 10(2.35,24.3) 11(-1,24.3)
  rect 1.676x2.464 smd: 15(-1.6,2.1) 16(26.7,2.1)
PS_3PIN-7MM
  oval 6.35x2.286 hole 5.588x1.524: 1(0,7.1) 2(0,0) 3(0,-7.1)
QFN16_HR8833
  oval 0.914x0.305 smd: 1(-1.95,0.975) 2(-1.95,0.325) 3(-1.95,-0.325) 4(-1.95,-0.975) 9(1.95,-0.975) 10(1.95,-0.325) 11(1.95,0.325) 12(1.95,0.975)
  oval 0.305x0.914 smd: 5(-0.975,-1.95) 6(-0.325,-1.95) 7(0.325,-1.95) 8(0.975,-1.95) 13(0.975,1.95) 14(0.325,1.95) 15(-0.325,1.95) 16(-0.975,1.95)
  rect 2.413x2.413 smd: 17(0,0)
R0402
  rect 0.635x0.508 smd: 1(-0.508,0) 2(0.508,0)
R0603
  rect 0.762x0.762 smd: 1(-0.762,0) 2(0.762,0)
R0805
  rect 1.016x1.143 smd: 1(-1.016,0) 2(1.016,0)
R1206
  rect 1.397x1.651 smd: 1(-1.397,0) 2(1.397,0)
RGL55
  round 1.118 hole 0.711: A(1.7,0) K(-1.7,0)
RJ45_LED-1
  round 3.404 hole 3.404 unplated: (-2.78,2.54) (9.92,2.54)
  rect 1.422x1.422 hole 0.914: 1(0,0)
  round 1.422 hole 0.914: 2(1.02,-1.78) 3(2.04,0) 4(3.06,-1.78) 5(4.08,0) 6(5.1,-1.78) 7(6.12,0) 8(7.14,-1.78)
  round 1.626 hole 1.118: 9(-3.29,-6.64) 10(-1,-6.64) 11(8.14,-6.64) 12(10.43,-6.64)
  round 2.362 hole 1.6: 13(-4.56,-0.89) 14(11.7,-0.89)
RTL8201-QFN32-TH
  oval 0.61x0.254 smd: 1(-2.4,1.75) 2(-2.4,1.25) 3(-2.4,0.75) 4(-2.4,0.25) 5(-2.4,-0.25) 6(-2.4,-0.75) 7(-2.4,-1.25) 8(-2.4,-1.75) 17(2.4,-1.75) 18(2.4,-1.25) 19(2.4,-0.75) 20(2.4,-0.25) 21(2.4,0.25) 22(2.4,0.75) 23(2.4,1.25) 24(2.4,1.75)
  oval 0.254x0.61 smd: 9(-1.75,-2.4) 10(-1.25,-2.4) 11(-0.75,-2.4) 12(-0.25,-2.4) 13(0.25,-2.4) 14(0.75,-2.4) 15(1.25,-2.4) 16(1.75,-2.4) 25(1.75,2.4) 26(1.25,2.4) 27(0.75,2.4) 28(0.25,2.4) 29(-0.25,2.4) 30(-0.75,2.4) 31(-1.25,2.4) 32(-1.75,2.4)
  rect 3.302x3.302 smd: 33(0,0)
SIP2_127MM
  rect 0.914x0.914 hole 0.61: 1(0,0)
  round 0.914 hole 0.61: 2(0,-1.27)
SIP2_254MM
  rect 1.524x1.524 hole 1.016: 1(0,0)
  round 1.524 hole 1.016: 2(2.54,0)
SIP3_254MM
  rect 1.651x1.651 hole 1.016: 1(0,0)
  round 1.651 hole 1.016: 2(2.54,0) 3(5.08,0)
SIP4_254MM
  rect 1.651x1.651 hole 1.016: 1(0,0)
  round 1.651 hole 1.016: 2(2.54,0) 3(5.08,0) 4(7.62,0)
SIP6_254MM
  rect 1.651x1.651 hole 1.016: 1(0,0)
  round 1.651 hole 1.016: 2(2.54,0) 3(5.08,0) 4(7.62,0) 5(10.16,0) 6(12.7,0)
SO8_200MIL
  oval 2.007x0.432 smd: 1(-3.75,1.905) 2(-3.75,0.635) 3(-3.75,-0.635) 4(-3.75,-1.905) 5(3.75,-1.905) 6(3.75,-0.635) 7(3.75,0.635) 8(3.75,1.905)
SOD323
  rect 0.914x0.965 smd: A(-1.125,0) K(1.125,0)
SOD-323
  rect 0.635x0.838 smd: A(1.118,0) K(-1.118,0)
SOP8-NANDFLASH
  oval 1.219x0.406 smd: 1(-4,1.905) 2(-4,0.635) 3(-4,-0.635) 4(-4,-1.905) 5(4,-1.905) 6(4,-0.635) 7(4,0.635) 8(4,1.905)
  rect 3.404x4.318 smd: 9(0,0)
SOP8_127-620X500
  oval 2.159x0.61 smd: 1(-2.565,1.905) 2(-2.565,0.635) 3(-2.565,-0.635) 4(-2.565,-1.905) 5(2.565,-1.905) 6(2.565,-0.635) 7(2.565,0.635) 8(2.565,1.905)
SOP8_SPI_SOCKET-267X17
  round 1.016 hole 0.508: 1(-3.56,1.92) 2(-5.48,0.65) 3(-3.56,-0.62) 4(-5.48,-1.89) 5(4.01,-1.89) 6(5.93,-0.62) 7(4.01,0.65) 8(5.93,1.92) 9(-1.27,4.35) 10(-1.27,-4.35)
SOP16_270_50
  oval 0.635x1.778 smd: 1(-4.445,-4.318) 2(-3.175,-4.318) 3(-1.905,-4.318) 4(-0.635,-4.318) 5(0.635,-4.318) 6(1.905,-4.318) 7(3.175,-4.318) 8(4.445,-4.318) 9(4.445,4.318) 10(3.175,4.318) 11(1.905,4.318) 12(0.635,4.318) 13(-0.635,4.318) 14(-1.905,4.318) 15(-3.175,4.318) 16(-4.445,4.318)
SOT23
  rect 0.813x1.016 smd: 1(-0.95,-1.151) 2(0.95,-1.151) 3(0,1.151)
SOT23_2
  rect 0.813x1.016 smd: 1(0.94,1.1) 2(-0.94,1.1) 3(0,-1.1)
SOT23_5
  rect 0.635x1.321 smd: 1(-0.95,-1.351) 2(0,-1.351) 3(0.95,-1.351) 4(0.95,1.351) 5(-0.95,1.351)
SOT23_6
  rect 0.635x1.27 smd: 1(-0.95,-1.275) 2(0,-1.275) 3(0.95,-1.275) 4(0.95,1.275) 5(0,1.275) 6(-0.95,1.275)
SOT_23
  rect 0.813x0.889 smd: 1(0.94,2.007) 2(-0.94,2.007) 3(0,0)
TP
  round 1.524 hole 1.016: 1(0,0)
TP30
  round 0.762 smd: 1(0,0)
unnamed
  round 1.016 smd: 1(0,0)
USBX1_SMD
  round 1.321 hole 1.321 unplated: (-1.5,-4.96) (3.5,-4.96)
  rect 1.143x2.896 smd: 1(-2.5,0) 2(0,0) 3(2,0) 4(4.5,0)
  rect 2.667x4.902 smd: CG1(-6.625,-3.46) CG2(8.625,-3.46)

## Nets
D0.9V: C36.1 C37.1 C38.1 C39.1 C40.1 C88.1 C89.1 C90.1 C91.1 C92.1 C93.1 C94.1 C95.1 C96.1 C98.1 C99.1 C191.1 C192.1 C299.1 L4.2 R23.2 R44.2 T9.1 U6.K10(VDDK_DDR0) U6.K11(VDDK_DDR1) U6.L8(VDDK_4) U6.L9(VDDK_5) U6.L10(VDDK_6) U6.L11(VDDK_7) U6.M8(VDDK_0) U6.M9(VDDK_1) U6.M10(VDDK_2) U6.M11(VDDK_3)
D1.8V: C19.1 C21.1 C22.1 C44.2 C47.2 C48.2 C86.1 D12.A J14.6 JP13.3 JP40.3 JP41.3 R28.2 R29.1 R32.2 R34.1 R35.1 R36.1 R131.2 R168.2 R169.1 T4.1 U3.5(VOUT) U6.H15(VDDIO_18_2) U6.R15(VDDIO_18_0) U6.U6(VDDIO_18_1) U6.V5(VDDA18_EPHY)
D1.35V: C27.1 C28.1 C29.1 C30.1 CR1.1 CR2.1 CR3.1 CR4.1 CR5.1 CR6.1 CR7.1 CR8.1 CR9.1 CR10.1 CR11.1 CR12.1 CR13.1 CR14.1 CR17.1 CR18.1 CR19.1 CR20.1 CR21.1 CR22.1 CR23.1 CR24.1 CR25.1 CR26.1 CR27.1 CR28.1 CR29.1 CR30.1 CR31.1 CR32.1 L3.2 R14.2 RR5.2 RR8.2 RR11.2 T7.1 U6.F7(VDDIO_DDR_0) U6.F8(VDDIO_DDR_1) U6.F9(VDDIO_DDR_2) U6.F11(VDDIO_DDR_3) U6.F12(VDDIO_DDR_4) U6.F13(VDDIO_DDR_5) U6.F14(VDDIO_DDR_6) U6.J8(VDDIO_CLK) UR1.A1(VDDQ1) UR1.A8(VDDQ2) UR1.B2(VDD1) UR1.C1(VDDQ3) UR1.C9(VDDQ4) UR1.D2(VDDQ5) UR1.D9(VDD2) UR1.E9(VDDQ6) UR1.F1(VDDQ7) UR1.G7(VDD3) UR1.H2(VDDQ8) UR1.H9(VDDQ9) UR1.K2(VDD4) UR1.K8(VDD5) UR1.N1(VDD6) UR1.N9(VDD7) UR1.R1(VDD8) UR1.R9(VDD9)
D3.3V: C13.1 C14.1 C15.1 C16.1 C84.1 C100.2 C101.1 C148.1 C150.2 C151.1 C160.1 C171.1 C193.2 C194.1 C195.2 C199.1 D8.A J12.1 J16.1 JP13.1 JP40.1 JP41.1 L2.2 L5.2 MQ1.2(SOURCE) MQ2.2(SOURCE) R6.2 R30.2 R42.2 R45.2 R47.2 R52.1 R53.1 R54.2 R55.1 R56.2 R57.2 R59.1 R60.2 R73.2 R81.1 R91.2 R100.1 R122.2 R124.2 R135.2 R136.2 R137.2 R138.2 R140.2 R141.2 R161.2 R164.1 R167.1 R190.1 R196.1 R197.1 R198.1 R200.1 R201.1 R202.1 T3.1 U6.T4(VDDA33_EPHY) U9.8(VCC) U10.8(VCC) U14.8(VCC) U15.1 U15.2 U18.1 U18.2 U25.14(DVDD33)
D5.0V: C6.1 C7.1 C8.1 C9.1 C11.2 C12.2 C17.2 C18.2 C25.2 C26.2 C34.2 C35.2 C107.2 C109.2 C120.2 C122.2 C133.2 C135.2 L1.2 MQ3.2(SOURCE) R3.2 R7.1 R10.1 R15.1 R18.1 R21.1 R24.1 R50.1 R105.1 R111.1 R117.1 R123.1 R157.1 R159.2 R210.1 T1.1 U2.4(VIN) U3.1(VIN) U4.4(VIN) U5.4(VIN) U11.1(VIN) U12.1(VIN) U13.1(VIN)
D12V: C2.1 C4.1 C5.1 C152.1 C153.1 D1.K R1.2 R2.1 U1.5(VIN) U19.1(VCC)
